# Allegro board BeagleBone_AI-64_Rev_B1_PCB_220602.brd (continued)
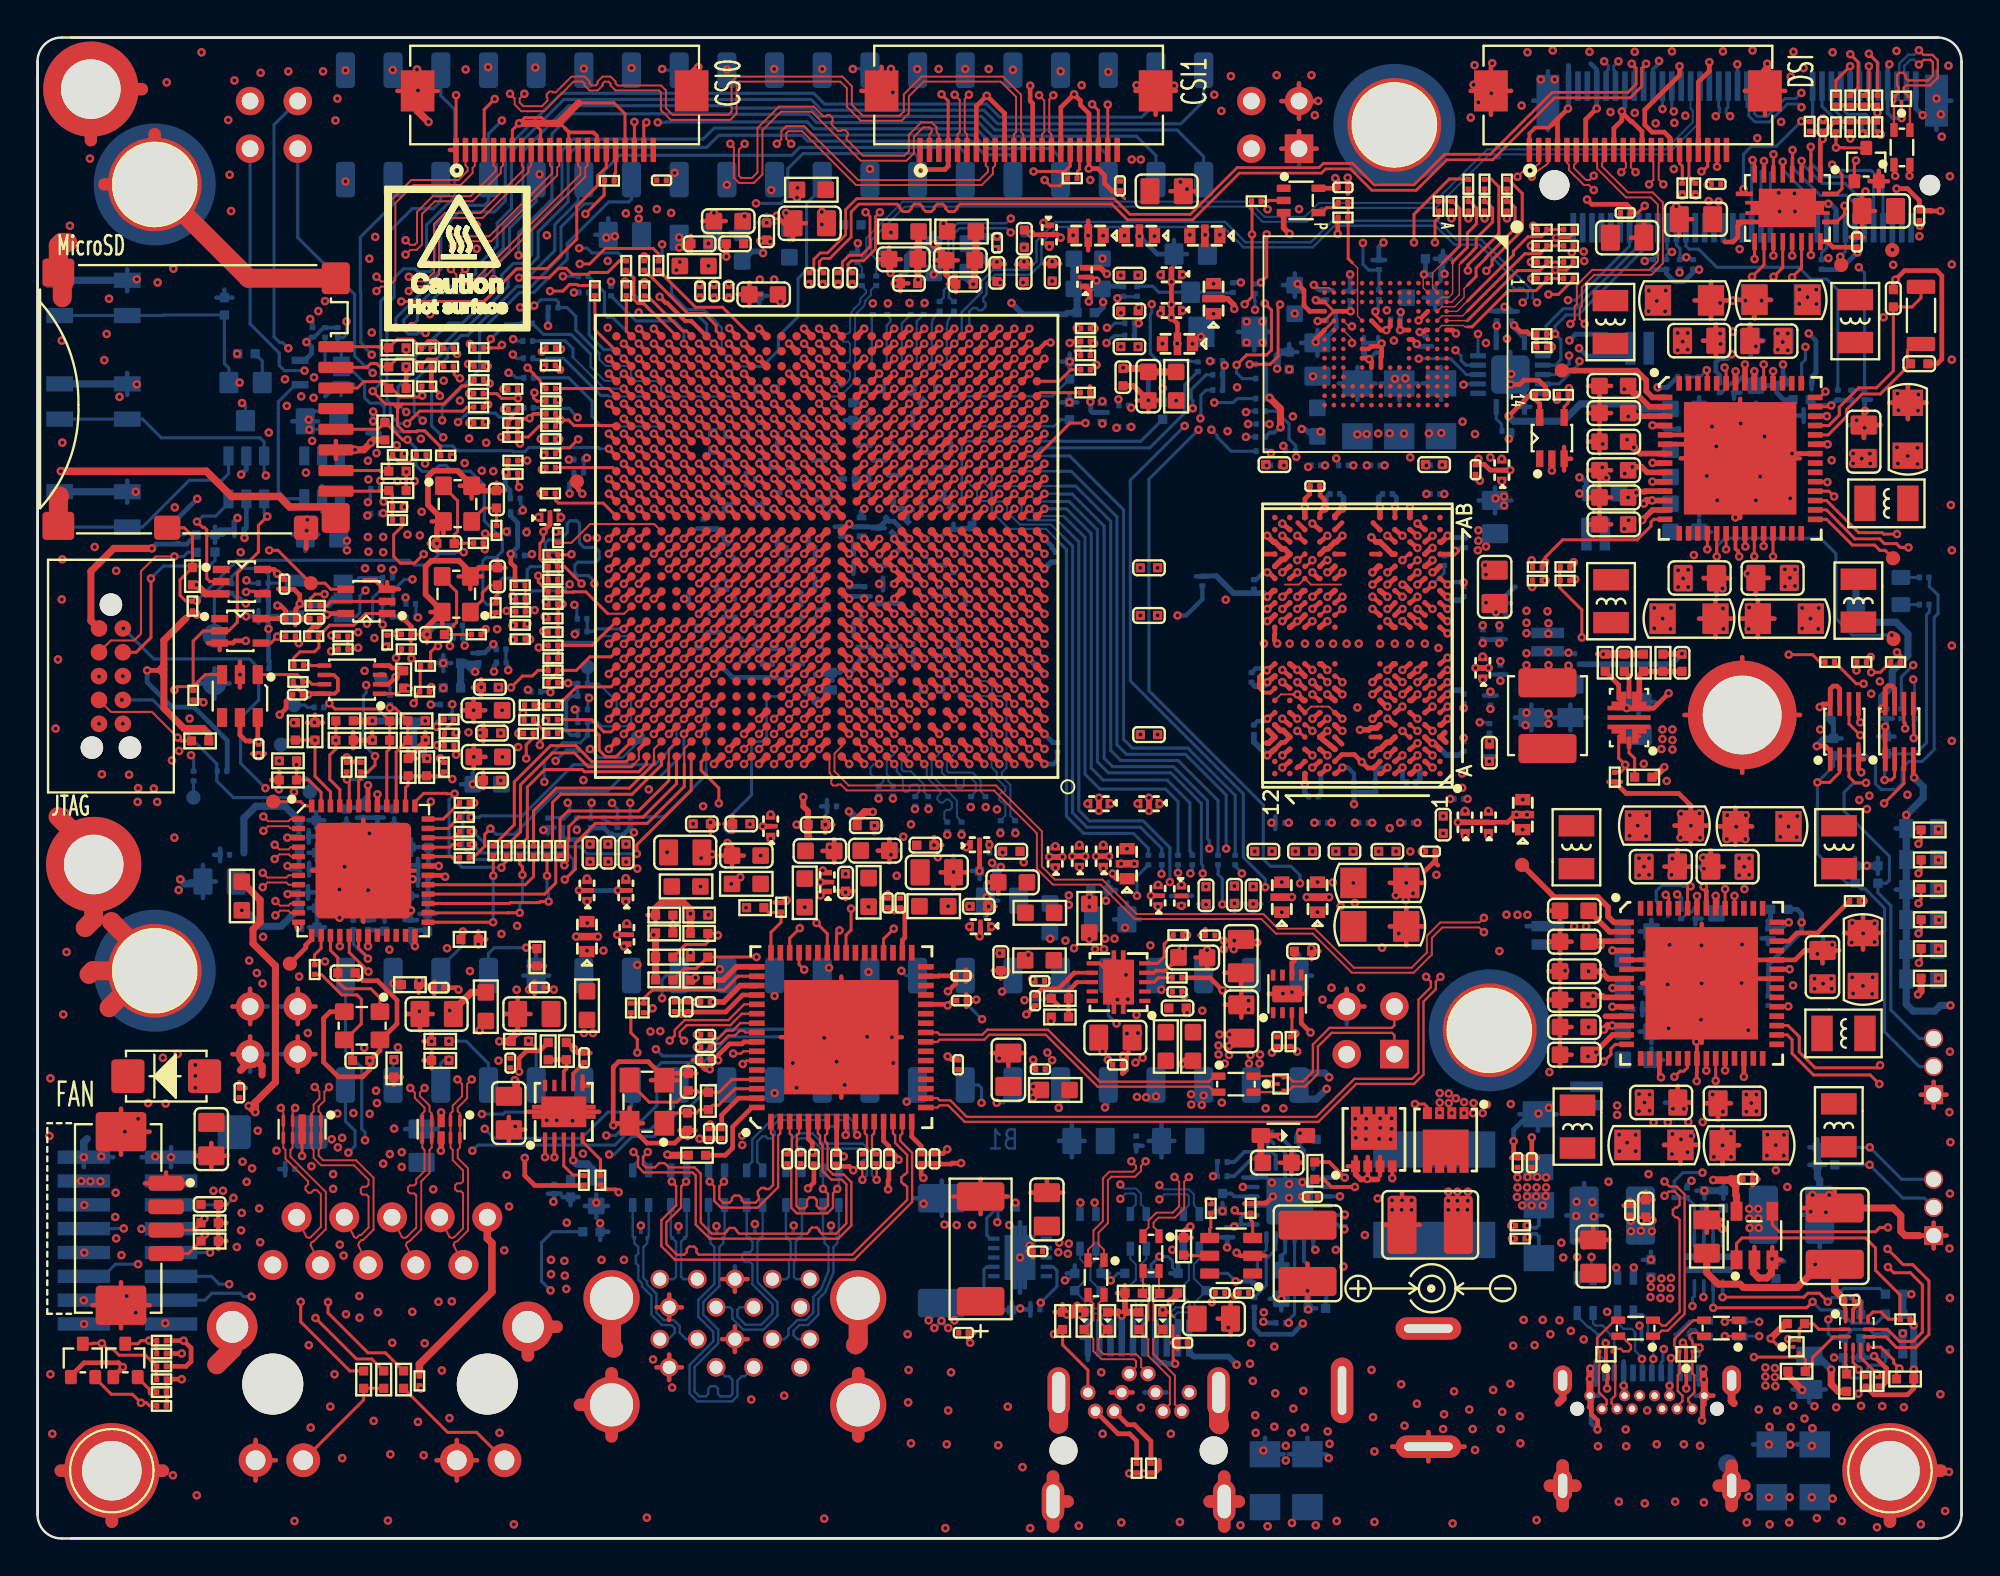
[diagram p0: board, top side]
## Routing (per net, layer and track width the routed paths; a pad name or vN(x,y) marks a point on that pad's centre or on a via; arc(x,y) is an arc through that point) (continued)
C_PCIE1_TX1_P: length 6
  TOP w0.188: U19.AG15 42.03,62.48 v1(41.63,62.88)
  L12-SIGNAL w0.136: v1(41.83,66.82) 41.74,66.73 41.74,66.54 43.11,65.17 43.11,64.08 arc(43.06,63.82) 42.91,63.59 42.71,63.4 arc(42.61,63.33) 42.49,63.31 arc(42.27,63.23) 42.08,63.09 42.04,63.05 arc(41.86,62.93) v1(41.63,62.88)
C_USB1_SSTX_DN1_N: length 1.9
  TOP w0.13: U20.4 40.57,21.6 40.45,21.48 40.45,20.71 40.65,20.51 C534.1
C_USB1_SSTX_DN1_P: length 1.9
  TOP w0.13: C533.1 39.94,20.51 40.19,20.76 40.19,21.48 40.07,21.6 U20.3
C_USB1_SSTX_DN2_N: length 1.9
  TOP w0.13: U20.12 44.57,21.6 44.45,21.48 44.45,20.72 44.66,20.51 C536.1
C_USB1_SSTX_DN2_P: length 1.9
  TOP w0.13: U20.11 44.07,21.6 44.19,21.48 44.19,20.75 43.95,20.51 C535.1
C_USB_SS_TX1_N: length 4.1
  TOP w0.16: v1(46.44,62.09) 46.44,62.08 U19.AF10
  BOTTOM w0.13: C538.1 46.52,65.24 46.5,65.22 ; 46.5,65.22 46.04,64.76 46.04,62.48 v1(46.44,62.09) ; 46.5,65.22 46.52,65.22
C_USB_SS_TX1_P: length 4
  TOP w0.16: U19.AG9 47.24,62.88 v1(47.24,62.89)
  BOTTOM w0.13: C537.1 47.2,65.22 47.18,65.22 46.83,64.87 46.83,62.66 46.92,62.56 47.11,62.56 47.24,62.69 v1(47.24,62.89)
C_USB_SS_TX2_N: length 4.2
  TOP w0.16: v1(47.24,62.09) 47.24,62.08 U19.AF9
  BOTTOM w0.13: v1(47.24,62.09) 47.44,62.29 arc(47.59,62.51) 47.64,62.78 47.64,64.72 arc(47.69,64.96) 47.83,65.17 48.06,65.4 C143.1
C_USB_SS_TX2_P: length 4.2
  TOP w0.16: v1(48.04,62.89) 48.04,62.88 U19.AG8
  BOTTOM w0.13: C132.1 48.82,65.4 arc(48.54,64.98) 48.44,64.48 48.44,62.68 48.31,62.55 48.13,62.55 48.04,62.64 v1(48.04,62.89)
C_USBA_SS_TX_N: length 3.9
  TOP w0.188: U19.AF12 44.84,62.08 v1(44.84,62.09)
  BOTTOM w0.13: v1(44.84,62.09) 44.64,62.28 arc(44.49,62.5) 44.44,62.76 44.44,65.08 44.5,65.14 C188.1
C_USBA_SS_TX_P: length 3.9
  TOP w0.188: v1(45.64,62.89) 45.64,62.88 U19.AG11
  BOTTOM w0.13: v1(45.64,62.89) 45.64,62.81 arc(45.5,62.62) 45.28,62.68 arc(45.25,62.74) 45.24,62.8 45.24,64.59 arc(45.25,64.66) 45.28,64.71 45.39,64.81 arc(45.45,64.96) 45.39,65.1 45.26,65.22 C177.1
C_USBA_SSRX_UP_N: length 2.9
  TOP w0.13: C532.2 35.86,26.19 36.05,26.38 36.37,26.38 36.8,26.81 37.15,26.81 37.41,27.07 37.61,27.07 37.71,26.97 U20.56
C_USBA_SSRX_UP_P: length 2.9
  TOP w0.13: U20.55 37.43,27.47 37.04,27.07 36.69,27.07 36.28,26.66 36.09,26.66 35.9,26.85 C531.2
COMP_LM5141: length 3.1
  BOTTOM w0.165: R45.1 68.66,13.94
  BOTTOM w0.203: U3.20 67.46,14.79 67.66,14.59 C91.1 68.48,14.13 68.66,13.94
CON_DP0_AUX_N: length 8.7
  TOP w0.106: J7.18 60.59,7.15 60.59,8.69 59.43,9.85 59.43,10.63 D39.1 59.45,11.63 59.45,12.72 R311.2 59.74,13.11 L13.2
CON_DP0_AUX_P: length 8.7
  TOP w0.106: J7.16 60.32,7.15 60.32,8.58 59.17,9.74 59.17,10.64 D38.1 59.18,11.64 59.18,12.75 R307.1 58.89,13.11 L13.3
CON_DP0_TX0_N: length 6.1
  BOTTOM w0.106: J7.5 57.16,11.54 56.99,11.71 56.99,12 56.73,12.26 56.25,12.26 56.09,12.43 56.09,12.62 56.65,13.19 D11.1 56.09,13.77 56.09,14.61 56.38,14.9 L5.3
CON_DP0_TX0_P: length 6.1
  BOTTOM w0.106: L5.2 55.53,14.9 55.83,14.61 55.83,13.78 D12.1 55.26,13.19 55.82,12.62 55.82,12.32 56.14,11.99 56.62,11.99 56.72,11.89 56.72,11.73 56.56,11.57 J7.3
CON_DP0_TX1_N: length 5.5
  BOTTOM w0.106: L4.3 59.07,14.9 58.78,14.61 58.78,13.75 D9.1 59.32,12.79 59.21,12.68 58.94,12.68 58.79,12.53 58.79,12.03 58.96,11.86 J7.11
CON_DP0_TX1_P: length 5.6
  BOTTOM w0.106: J7.9 58.36,11.86 58.52,12.03 58.52,12.54 58.38,12.68 58.03,12.68 57.92,12.79 D10.1 58.51,13.79 58.51,14.61 58.22,14.9 L4.2
CON_DP0_TX2_N: length 6.3
  BOTTOM w0.106: J7.17 60.76,11.57 60.59,11.74 60.59,11.9 60.75,12.05 61.38,12.05 61.64,12.32 61.64,12.58 62.25,13.19 D6.1 61.6,13.86 61.6,14.61 61.89,14.9 L3.3
CON_DP0_TX2_P: length 6.2
  BOTTOM w0.106: L3.2 61.04,14.9 61.33,14.61 61.33,13.77 D8.1 60.77,13.19 61.38,12.58 61.38,12.43 61.27,12.32 60.64,12.32 60.32,12.01 60.32,11.75 60.16,11.59 J7.15
CON_DP0_TX3_N: length 6.8
  TOP w0.106: J7.12 58.79,9.15 58.79,9.56 58.53,9.82 56.79,9.82 56.51,10.1 56.51,10.64 D37.1 56.51,11.63 56.51,12.51 56.81,12.81 L12.2
CON_DP0_TX3_P: length 6.8
  TOP w0.106: J7.10 58.52,9.15 58.52,9.45 58.42,9.55 56.68,9.55 56.25,9.99 56.25,10.64 D36.1 56.25,11.63 56.25,12.53 55.96,12.81 L12.3
CP2: length 10.2
  TOP w0.165: v1(89.77,12.86) 94.1,12.86 94.31,13.07 94.92,13.07 v1(95.37,12.62)
  BOTTOM w0.165: R12.1 96.09,12.84 ; 96.09,12.84 95.6,12.84 v1(95.37,12.62) ; 96.09,12.84 96.09,13.2 96.21,13.33 98.14,13.33 98.44,13.03 R355.2 ; U1.3 v1(89.77,12.86)
CS_LM5141: length 10.5
  TOP w0.203: 78.71,15.98 v1(78.55,15.98)
  L5-SIGNAL w0.203: v1(69.62,16.48) 69.85,16.7 71.9,16.7 72.43,16.17 78.36,16.17 v1(78.55,15.98)
  BOTTOM w0.203: v1(69.62,16.48) 69.52,16.48 69.26,16.74 U3.18
CSI0_RX0_N: length 114.7
  TOP w0.106: v1(18.06,67.25) 18.31,67 18.59,67 18.79,67.2 18.79,71.29 19.91,72.41 22.43,72.41 22.91,72.89 22.91,73.06 22.8,73.18 J13.2
  TOP w0.119: v1(38.43,42.08) 38.83,42.48 U19.B19
  L3-SIGNAL w0.103: v1(18.06,67.25) 17.85,67.05 14.95,67.05 14.67,66.77 14.67,66.31 14.56,66.21 14.36,66.21 14.25,66.31 14.25,66.77 13.97,67.05 13.46,67.05 12.32,65.91 12.32,65.51 12.57,65.26 12.57,65.11 12.42,64.96 12.27,64.96 12.03,65.21 11.63,65.21 11.3,64.89 11.3,64.49 11.55,64.24 11.55,64.1 11.4,63.95 11.26,63.95 11.01,64.2 10.61,64.2 9.92,63.51 9.92,62.21 8.91,61.21 8.91,60.67 8.81,60.57 8.59,60.57 8.3,60.29 8.3,59.83 8.59,59.55 10.26,59.55 10.36,59.44 10.36,59.24 10.26,59.13 8.59,59.13 8.3,58.85 8.3,58.39 8.59,58.11 10.26,58.11 10.36,58.01 10.36,57.85 10.21,57.7 8.59,57.7 8.3,57.42 8.3,56.96 8.59,56.67 8.81,56.67 8.91,56.57 8.91,56.21 9.2,55.92 10.28,55.92 10.39,55.82 10.39,55.61 10.28,55.51 9.2,55.51 8.91,55.23 8.91,53.71 8.81,53.61 7.85,53.61 7.57,53.33 7.57,52.87 7.85,52.59 8.81,52.59 8.91,52.48 8.91,51.85 9.2,51.57 10.28,51.57 10.39,51.46 10.39,51.26 10.28,51.15 9.17,51.15 8.89,50.87 8.89,50.41 9.17,50.13 10.28,50.13 10.36,50.05 10.36,49.79 10.28,49.72 9.2,49.72 8.91,49.43 8.91,48.52 9.34,48.1 9.74,48.1 10.24,48.61 10.41,48.61 10.55,48.47 10.55,48.33 10.03,47.81 10.03,47.41 13.45,43.98 15.06,43.98 16.03,43.01 16.43,43.01 16.84,43.42 17.01,43.42 17.14,43.29 17.14,43.14 16.72,42.72 16.72,42.32 16.99,42.05 16.99,41.52 17.77,40.74 18.17,40.74 18.44,41 18.6,41 18.7,40.89 18.7,40.73 18.51,40.54 18.51,39.28 22.48,35.32 22.48,33.29 25.15,30.62 27.18,30.62 27.46,30.9 27.46,32.17 27.57,32.27 27.77,32.27 27.88,32.17 27.88,30.9 28.16,30.62 31.41,30.62 32.41,31.62 32.41,32.42 33.73,33.74 33.88,33.74 34.06,33.56 34.46,33.56 34.79,33.88 34.79,34.28 34.6,34.47 34.6,35.23 34.87,35.5 37.06,35.5 37.54,35.98 37.54,37.78 37.26,38.06 36.68,38.06 36.57,38.16 36.57,38.37 36.68,38.47 37.26,38.47 37.54,38.75 37.54,39.13 38.04,39.63 38.04,41.69 v1(38.43,42.08)
CSI0_RX0_P: length 114.6
  TOP w0.106: U19.A20 38.03,41.68 v1(37.63,41.28) ; J13.3 23.3,73.18 23.18,73.06 23.18,72.78 22.54,72.14 20.02,72.14 19.06,71.18 19.06,67.09 18.7,66.73 18.3,66.73 v1(18.06,66.49)
  L3-SIGNAL w0.103: v1(18.06,66.49) 17.8,66.74 15.08,66.74 14.97,66.64 14.97,66.19 14.69,65.9 14.23,65.9 13.95,66.19 13.95,66.64 13.85,66.74 13.59,66.74 13.34,66.49 13.34,66.34 13.47,66.21 13.47,66.06 13.32,65.92 13.18,65.92 13.04,66.05 12.9,66.05 12.62,65.78 12.62,65.63 12.87,65.38 12.87,64.99 12.55,64.66 12.15,64.66 11.9,64.91 11.75,64.91 11.61,64.76 11.61,64.62 11.85,64.37 11.85,63.97 11.53,63.64 11.13,63.64 10.88,63.89 10.74,63.89 10.23,63.38 10.23,62.09 10.04,61.9 10.04,61.76 10.15,61.65 10.15,61.5 10,61.36 9.86,61.36 9.75,61.46 9.6,61.46 9.22,61.08 9.22,60.55 8.94,60.27 8.71,60.27 8.61,60.16 8.61,59.96 8.71,59.85 10.39,59.85 10.67,59.57 10.67,59.11 10.39,58.83 8.71,58.83 8.61,58.73 8.61,58.52 8.71,58.42 10.39,58.42 10.67,58.13 10.67,57.73 10.33,57.39 8.71,57.39 8.61,57.29 8.61,57.08 8.71,56.98 8.94,56.98 9.22,56.7 9.22,56.33 9.32,56.23 10.41,56.23 10.69,55.95 10.69,55.49 10.41,55.21 9.32,55.21 9.22,55.1 9.22,54.81 9.32,54.7 9.47,54.7 9.57,54.6 9.57,54.39 9.47,54.29 9.32,54.29 9.22,54.18 9.22,53.59 8.94,53.31 7.98,53.31 7.87,53.2 7.87,53 7.98,52.89 8.94,52.89 9.22,52.61 9.22,51.97 9.32,51.87 10.41,51.87 10.69,51.59 10.69,51.13 10.41,50.85 9.3,50.85 9.19,50.74 9.19,50.54 9.3,50.43 10.41,50.43 10.67,50.18 10.67,49.67 10.41,49.41 9.32,49.41 9.22,49.31 9.22,48.65 9.46,48.4 9.61,48.4 10.12,48.91 10.54,48.91 10.85,48.6 10.85,48.2 10.33,47.68 10.33,47.53 13.58,44.29 15.19,44.29 16.16,43.32 16.3,43.32 16.71,43.73 17.13,43.73 17.45,43.41 17.45,43.02 17.03,42.59 17.03,42.45 17.3,42.18 17.3,41.65 17.9,41.04 18.05,41.04 18.31,41.3 18.73,41.3 19.01,41.02 19.01,40.6 18.82,40.41 18.82,39.41 22.78,35.45 22.78,33.42 25.27,30.93 27.05,30.93 27.16,31.03 27.16,32.3 27.44,32.58 27.9,32.58 28.18,32.3 28.18,31.03 28.28,30.93 31.28,30.93 32.1,31.75 32.1,32.55 33.6,34.05 34,34.05 34.19,33.86 34.33,33.86 34.48,34.01 34.48,34.15 34.3,34.34 34.3,34.51 34.19,34.61 34.14,34.61 34.03,34.71 34.03,34.92 34.14,35.02 34.19,35.02 34.3,35.13 34.3,35.36 34.75,35.81 36.05,35.81 36.15,35.91 36.15,35.92 36.25,36.02 36.46,36.02 36.56,35.92 36.56,35.91 36.67,35.81 36.93,35.81 37.23,36.11 37.23,37.65 37.13,37.75 36.55,37.75 36.27,38.04 36.27,38.49 36.55,38.78 37.13,38.78 37.23,38.88 37.23,39.26 37.74,39.76 37.74,41.18 v1(37.63,41.28)
CSI0_RX1_N: length 115.1
  TOP w0.106: J13.5 24.3,73.18 24.41,73.07 24.41,72.89 23.07,71.54 21.05,71.54 20.22,70.7 20.22,69.08 20.09,68.95 19.85,68.95 v1(19.61,69.2)
  TOP w0.119: v1(39.23,43.68) 39.63,44.08 U19.D18
  L3-SIGNAL w0.103: v1(39.23,43.68) 38.83,43.28 38.83,42.74 38.84,42.73 38.84,42.72 39.07,42.49 39.08,42.49 39.09,42.48 39.4,42.48 39.41,42.46 39.42,42.46 39.64,42.24 39.64,41.12 39.45,40.93 39.45,40.63 40.03,40.04 40.03,36.52 37.33,33.81 36.93,33.81 36.31,34.43 36.09,34.43 35.93,34.27 35.93,34.1 36.57,33.46 36.57,33.06 35.46,31.94 34.34,31.94 32.08,29.68 24.26,29.68 21.36,32.58 21.36,34.51 17.85,38.02 17.75,38.02 16.97,38.8 16.97,39.2 17.17,39.4 17.17,39.54 17.02,39.69 16.87,39.69 16.68,39.49 16.28,39.49 15.1,40.67 15.1,41.07 15.59,41.56 15.59,41.8 15.44,41.95 15.3,41.95 14.76,41.41 14.36,41.41 13.55,42.22 13.4,42.22 13.23,42.05 12.83,42.05 12.51,42.38 12.51,42.78 12.68,42.95 12.68,43.09 10.06,45.71 9.91,45.71 9.55,45.35 9.15,45.35 8.82,45.67 8.82,46.07 9.19,46.43 9.19,46.58 8.81,46.96 8.66,46.96 8.48,46.78 8.09,46.78 7.76,47.1 7.76,47.5 7.89,47.63 7.89,47.78 6.93,48.73 6.93,49.46 7.21,49.74 7.62,49.74 7.72,49.85 7.72,50.05 7.62,50.16 7.21,50.16 6.93,50.44 6.93,50.69 6.56,51.06 6.56,52.88 5.64,53.8 5.64,54.42 5.92,54.7 6.47,54.7 6.58,54.81 6.58,55.01 6.47,55.12 5.92,55.12 5.64,55.4 5.64,56.02 5.92,56.3 7.13,56.3 7.24,56.41 7.24,56.62 7.13,56.72 5.92,56.72 5.64,57 5.64,57.46 5.92,57.74 7.13,57.74 7.24,57.84 7.24,58.05 7.13,58.16 5.92,58.16 5.64,58.44 5.64,59.94 5.99,60.29 6.39,60.29 7.04,59.63 7.27,59.63 7.38,59.74 7.38,59.89 6.68,60.58 6.68,60.98 7.01,61.31 7.01,62.09 7.81,62.89 8.21,62.89 8.61,62.49 8.75,62.49 8.9,62.64 8.9,62.79 8.5,63.19 8.5,63.59 13.88,68.97 14.73,68.97 15.01,68.69 15.01,68.01 15.11,67.91 15.32,67.91 15.42,68.01 15.42,68.69 15.7,68.97 16.16,68.97 16.44,68.69 16.44,68.01 16.55,67.91 16.75,67.91 16.86,68.01 16.86,68.69 17.14,68.97 19.38,68.97 v1(19.61,69.2)
CSI0_RX1_P: length 115
  TOP w0.106: v1(19.61,68.43) 19.86,68.69 20.2,68.69 20.48,68.97 20.48,70.59 21.17,71.28 23.18,71.28 24.68,72.78 24.68,73.07 24.8,73.18 J13.6
  TOP w0.119: v1(38.44,42.88) 38.84,43.28 U19.C19
  L3-SIGNAL w0.103: v1(38.44,42.88) 38.44,42.64 38.84,42.23 38.84,41.12 39.14,40.81 39.14,40.5 39.73,39.92 39.73,39.67 39.52,39.47 39.52,39.26 39.73,39.05 39.73,38.3 39.62,38.2 39.44,38.2 39.34,38.09 39.34,37.89 39.44,37.78 39.62,37.78 39.73,37.68 39.73,36.65 39.56,36.48 39.28,36.48 39.13,36.33 39.13,36.05 38.74,35.66 38.59,35.66 38.43,35.82 38.29,35.82 38.14,35.67 38.14,35.52 38.3,35.37 38.3,35.22 37.2,34.12 37.05,34.12 36.43,34.74 35.96,34.74 35.62,34.4 35.62,33.97 36.27,33.33 36.27,33.19 35.33,32.25 34.99,32.25 34.81,32.43 34.57,32.43 34.4,32.25 34.21,32.25 31.95,29.99 24.38,29.99 23.64,30.73 23.64,30.99 23.47,31.15 23.22,31.15 22.87,31.5 22.87,31.66 22.66,31.87 22.5,31.87 21.66,32.71 21.66,34.64 17.98,38.32 17.88,38.32 17.27,38.93 17.27,39.07 17.47,39.27 17.47,39.67 17.14,39.99 16.75,39.99 16.55,39.8 16.4,39.8 15.41,40.79 15.41,40.94 15.89,41.43 15.89,41.93 15.57,42.26 15.17,42.26 14.63,41.72 14.48,41.72 14.27,41.93 14.27,42.21 14.12,42.36 13.84,42.36 13.67,42.53 13.27,42.53 13.1,42.36 12.96,42.36 12.81,42.51 12.81,42.65 12.98,42.82 12.98,43.22 10.18,46.01 9.79,46.01 9.42,45.65 9.28,45.65 9.13,45.8 9.13,45.94 9.49,46.31 9.49,46.71 8.94,47.26 8.54,47.26 8.36,47.08 8.21,47.08 8.06,47.23 8.06,47.37 8.19,47.5 8.19,47.9 7.86,48.24 7.86,48.49 7.69,48.66 7.44,48.66 7.24,48.86 7.24,49.33 7.34,49.44 7.74,49.44 8.02,49.72 8.02,50.18 7.74,50.46 7.34,50.46 7.24,50.56 7.24,50.82 6.87,51.18 6.87,53.01 6.51,53.37 6.51,53.58 6.32,53.76 6.11,53.76 5.95,53.93 5.95,54.3 6.05,54.4 6.6,54.4 6.88,54.68 6.88,55.14 6.6,55.42 6.05,55.42 5.95,55.52 5.95,55.9 6.05,56 7.26,56 7.54,56.28 7.54,56.74 7.26,57.02 6.05,57.02 5.95,57.13 5.95,57.33 6.05,57.44 7.26,57.44 7.54,57.72 7.54,58.18 7.26,58.46 6.05,58.46 5.95,58.56 5.95,59.81 6.12,59.98 6.26,59.98 6.92,59.33 7.39,59.33 7.68,59.62 7.68,60.02 6.99,60.71 6.99,60.86 7.31,61.18 7.31,61.97 7.93,62.59 8.08,62.59 8.48,62.19 8.88,62.19 9.21,62.51 9.21,62.91 8.81,63.31 8.81,63.46 14.01,68.66 14.6,68.66 14.7,68.56 14.7,67.89 14.98,67.61 15.44,67.61 15.73,67.89 15.73,68.56 15.83,68.66 16.04,68.66 16.14,68.56 16.14,67.89 16.42,67.61 16.88,67.61 17.16,67.89 17.16,68.56 17.27,68.66 19.38,68.66 v1(19.61,68.43)
CSI0_RX2_N: length 115.5
  TOP w0.106: J13.11 27.3,73.18 27.41,73.07 27.41,72.76 24.06,69.41 22.38,69.41 v1(22.13,69.66) ; U19.D17 40.43,44.08 v1(40.03,43.68)
  TOP w0.119: 40.04,43.68 v1(40.03,43.68)
  L3-SIGNAL w0.103: v1(22.13,69.66) 21.88,69.4 20.53,69.4 19.81,70.12 13.56,70.12 5.92,62.47 5.92,61.54 4.52,60.14 4.52,53.15 5.56,52.11 5.56,51.76 4.87,51.07 4.87,50.51 5.16,50.22 5.91,50.22 6.02,50.12 6.02,49.91 5.91,49.81 5.16,49.81 4.87,49.53 4.87,49.07 5.16,48.79 5.91,48.79 6.02,48.68 6.02,48.48 5.91,48.37 5.16,48.37 4.87,48.09 4.87,47.54 5.64,46.77 6.04,46.77 6.49,47.23 6.64,47.23 6.79,47.08 6.79,46.93 6.33,46.48 6.33,46.08 6.75,45.66 7.47,45.66 7.72,45.41 7.72,44.68 8.75,43.65 9.15,43.65 9.75,44.25 9.89,44.25 10.04,44.1 10.04,43.96 9.44,43.36 9.44,42.96 9.77,42.63 10.16,42.63 10.76,43.23 10.91,43.23 11.06,43.08 11.06,42.94 10.46,42.34 10.46,41.94 11.92,40.48 13.59,40.48 20.34,33.72 20.34,31.91 23.74,28.52 32.41,28.52 34.41,30.52 35.73,30.52 36.47,31.25 36.61,31.25 36.85,31.02 37.25,31.02 37.58,31.34 37.58,31.74 37.34,31.98 37.34,32.13 37.49,32.27 37.63,32.27 37.87,32.03 38.27,32.03 38.6,32.36 38.6,32.76 38.36,33 38.36,33.14 38.68,33.47 38.68,33.67 39.77,34.76 40,34.76 40.55,34.21 40.95,34.21 41.23,34.49 41.23,34.89 40.64,35.48 40.64,35.63 41.53,36.52 41.53,39.94 40.99,40.48 40.99,40.88 41.23,41.12 41.23,42.27 41.02,42.49 40.67,42.49 40.44,42.72 40.44,43.06 40.03,43.46 v1(40.03,43.68)
CSI0_RX2_P: length 115.5
  TOP w0.106: U19.C18 39.63,43.28 v1(39.23,42.88) ; v1(22.13,68.9) 22.15,68.9 22.17,68.92 22.17,68.93 22.38,69.14 24.17,69.14 27.68,72.65 27.68,73.07 27.8,73.18 J13.12
  L3-SIGNAL w0.103: v1(22.13,68.9) 21.93,69.1 20.4,69.1 19.68,69.82 17.46,69.82 17.28,69.64 17.04,69.64 16.86,69.82 16.63,69.82 16.45,69.64 16.22,69.64 16.04,69.82 15.8,69.82 15.62,69.64 15.39,69.64 15.21,69.82 14.97,69.82 14.8,69.64 14.56,69.64 14.38,69.82 13.69,69.82 6.22,62.35 6.22,61.41 4.83,60.01 4.83,59.45 4.98,59.3 4.98,59.04 4.83,58.89 4.83,58.62 4.98,58.47 4.98,58.21 4.83,58.06 4.83,53.28 5.87,52.24 5.87,51.63 5.18,50.94 5.18,50.63 5.28,50.53 6.04,50.53 6.32,50.25 6.32,49.79 6.04,49.51 5.28,49.51 5.18,49.4 5.18,49.2 5.28,49.09 6.04,49.09 6.32,48.81 6.32,48.35 6.04,48.07 5.28,48.07 5.18,47.97 5.18,47.67 5.77,47.08 5.91,47.08 6.37,47.53 6.76,47.53 7.09,47.2 7.09,46.81 6.64,46.35 6.64,46.21 6.88,45.97 7.59,45.97 8.02,45.53 8.02,44.81 8.88,43.95 9.02,43.95 9.62,44.55 10.02,44.55 10.35,44.23 10.35,43.83 9.75,43.23 9.75,43.08 9.89,42.94 10.04,42.94 10.64,43.54 11.04,43.54 11.36,43.21 11.36,42.81 10.76,42.21 10.76,42.07 12.05,40.78 13.71,40.78 20.65,33.85 20.65,32.04 23.87,28.82 32.28,28.82 34.29,30.83 35.61,30.83 36.34,31.56 36.74,31.56 36.98,31.32 37.13,31.32 37.27,31.47 37.27,31.61 37.03,31.85 37.03,32.25 37.36,32.58 37.76,32.58 38,32.34 38.14,32.34 38.29,32.48 38.29,32.63 38.05,32.87 38.05,33.27 38.38,33.6 38.38,33.8 39.64,35.06 40.13,35.06 40.67,34.51 40.82,34.51 40.92,34.62 40.92,34.76 40.33,35.35 40.33,35.75 41.23,36.65 41.23,37.65 41.12,37.76 41,37.76 40.89,37.86 40.89,38.07 41,38.17 41.12,38.17 41.23,38.27 41.23,38.48 41.12,38.58 41,38.58 40.89,38.69 40.89,38.89 41,39 41.12,39 41.23,39.1 41.23,39.81 40.69,40.35 40.69,40.85 40.44,41.1 40.44,42.24 40.19,42.49 39.86,42.49 39.47,42.88 v1(39.23,42.88)
CSI0_RX3_N: length 116.6
  TOP w0.106: v1(22.78,67.66) 22.58,67.45 22.58,67.25 22.71,67.12 23.34,67.12 28.91,72.7 28.91,73.06 28.8,73.18 J13.14
  TOP w0.119: v1(40.84,44.48) 40.84,44.48 U19.E16
  L3-SIGNAL w0.103: v1(40.84,44.48) 40.84,44.19 40.94,44.08 41.79,44.08 42.24,43.63 42.24,43.58 42.68,43.15 42.68,37.39 42.92,37.14 42.92,36.06 42.62,35.75 42.62,32.92 41.52,31.82 40.26,31.82 37.59,29.15 34.72,29.15 33.08,27.51 23.16,27.51 19.17,31.5 19.17,33.57 13.82,38.93 11.84,38.93 6.52,44.25 6.52,44.56 2.72,48.37 2.72,51.43 3.58,52.29 3.58,61.59 13.08,71.09 22.4,71.09 22.96,70.53 22.96,68.67 22.55,68.27 22.55,67.89 v1(22.78,67.66)
CSI0_RX3_P: length 116.6
  TOP w0.106: J13.15 29.3,73.18 29.18,73.06 29.18,72.59 23.45,66.86 22.6,66.86 22.31,67.14 22.31,67.36 v1(22.02,67.66)
  TOP w0.119: v1(40.03,44.48) 40.44,44.88 U19.E17
  L3-SIGNAL w0.103: v1(22.02,67.66) 22.25,67.89 22.25,68.39 22.66,68.8 22.66,70.4 22.27,70.78 21.95,70.78 21.85,70.68 21.85,70.63 21.75,70.53 21.54,70.53 21.44,70.63 21.44,70.68 21.33,70.78 21.13,70.78 21.02,70.68 21.02,70.63 20.92,70.53 20.71,70.53 20.61,70.63 20.61,70.68 20.51,70.78 13.21,70.78 3.88,61.46 3.88,52.16 3.02,51.3 3.02,48.5 6.83,44.69 6.83,44.38 11.97,39.23 13.94,39.23 19.48,33.7 19.48,31.62 23.29,27.82 32.95,27.82 34.59,29.46 37.46,29.46 40.13,32.12 41.39,32.12 42.31,33.04 42.31,35.88 42.62,36.19 42.62,37.02 42.37,37.26 42.37,43.02 42.11,43.29 40.67,43.29 40.44,43.52 40.44,43.93 40.44,44.08 v1(40.03,44.48)
CSI0_RXCLK_N: length 115.1
  TOP w0.106: v1(19.78,67.25) 20.03,67 20.63,67 21.12,67.49 21.12,70.06 21.71,70.65 23.6,70.65 25.89,72.94 25.89,73.09 25.8,73.18 J13.8 ; U19.B20 38.03,42.48 v1(37.63,42.08)
  L3-SIGNAL w0.103: v1(19.78,67.25) 19.58,67.05 19.19,67.05 18.2,66.06 16.61,66.06 15.07,64.52 13.42,64.52 11.38,62.48 11.38,58.41 11.66,58.13 13.15,58.13 13.26,58.03 13.26,57.82 13.15,57.72 11.66,57.72 11.38,57.43 11.38,56.12 11.66,55.84 13.74,55.84 13.84,55.74 13.84,55.53 13.74,55.43 11.66,55.43 11.38,55.15 11.38,53.81 11.58,53.61 11.58,51.11 11.86,50.83 12.33,50.83 12.49,50.66 12.49,50.52 12.39,50.41 11.86,50.41 11.58,50.13 11.58,47.36 12.2,46.74 12.6,46.74 13.14,47.28 13.28,47.28 13.43,47.14 13.43,46.99 12.89,46.45 12.89,46.05 13.56,45.38 14.14,45.38 14.42,45.66 14.42,46.47 14.52,46.57 14.73,46.57 14.84,46.47 14.84,45.66 15.12,45.38 15.58,45.38 15.86,45.66 15.86,46.47 15.96,46.57 16.17,46.57 16.27,46.47 16.27,45.72 19.61,42.38 19.61,41.04 19.89,40.76 21.23,40.76 21.33,40.65 21.33,40.45 21.23,40.34 19.89,40.34 19.61,40.06 19.61,39.57 20.84,38.33 21.24,38.33 21.8,38.9 21.95,38.9 22.1,38.75 22.1,38.61 21.53,38.04 21.53,37.64 23.54,35.63 23.54,33.78 23.88,33.44 24.51,33.44 24.89,33.83 24.89,34.67 25.42,35.2 25.42,35.54 25.55,35.67 25.55,36.62 25.73,36.8 26.26,36.8 26.43,36.63 26.43,33.53 26.75,33.22 27.75,33.22 28.08,33.54 28.34,33.54 28.67,33.22 29.93,33.22 30.24,33.52 30.52,33.52 30.83,33.22 31.77,33.22 32.94,34.38 32.94,36.99 33.05,37.09 33.7,37.09 33.98,37.37 33.98,37.83 33.7,38.12 32.89,38.12 32.66,38.35 32.66,38.78 33.17,39.29 33.42,39.29 34.09,38.61 34.49,38.61 34.82,38.94 34.82,39.33 34.14,40.01 34.14,40.44 33.86,40.72 33.43,40.72 33.32,40.82 33.32,41.03 33.43,41.13 33.86,41.13 34.14,41.42 34.14,41.83 34.34,42.03 35.02,42.03 35.22,41.84 35.22,39.74 35.5,39.46 35.96,39.46 36.24,39.74 36.24,40.27 36.34,40.38 36.88,40.38 37.26,40.76 37.26,41.46 37.63,41.84 v1(37.63,42.08)
CSI0_RXCLK_P: length 115.1
  TOP w0.106: v1(19.78,66.49) 19.81,66.49 20.06,66.74 20.74,66.74 21.39,67.38 21.39,69.95 21.83,70.39 23.71,70.39 25.64,72.32 26.15,72.83 26.15,73.04 26.3,73.18 J13.9
  TOP w0.119: v1(36.83,41.28) 36.84,41.28 U19.A21
  L3-SIGNAL w0.103: v1(36.83,41.28) 36.95,41.16 36.95,40.89 36.75,40.68 36.22,40.68 35.93,40.4 35.93,39.87 35.83,39.77 35.62,39.77 35.52,39.87 35.52,40.8 35.66,40.94 35.66,41.22 35.52,41.36 35.52,41.96 35.15,42.33 34.21,42.33 33.84,41.96 33.84,41.54 33.73,41.44 33.3,41.44 33.02,41.16 33.02,40.7 33.3,40.42 33.73,40.42 33.84,40.31 33.84,39.88 34.51,39.21 34.51,39.06 34.36,38.92 34.22,38.92 33.54,39.59 33.04,39.59 32.36,38.9 32.36,38.22 32.77,37.81 33.57,37.81 33.68,37.71 33.68,37.5 33.57,37.4 32.92,37.4 32.64,37.12 32.64,36.85 32.43,36.65 32.43,36.44 32.64,36.24 32.64,35.91 32.53,35.81 32.46,35.81 32.36,35.71 32.36,35.5 32.46,35.4 32.53,35.4 32.64,35.29 32.64,34.51 32.47,34.35 32.33,34.35 32.27,34.4 32.12,34.4 31.98,34.26 31.98,34.11 32.03,34.05 32.03,33.91 31.65,33.52 30.95,33.52 30.65,33.82 30.11,33.82 29.8,33.52 28.8,33.52 28.47,33.85 27.95,33.85 27.62,33.52 26.87,33.52 26.74,33.66 26.74,36.75 26.39,37.1 25.6,37.1 25.25,36.75 25.25,35.8 25.12,35.67 25.12,35.32 24.59,34.79 24.59,33.95 24.38,33.75 24,33.75 23.85,33.9 23.85,35.75 23.68,35.92 23.68,36.07 23.75,36.14 23.75,36.28 23.61,36.43 23.46,36.43 23.39,36.36 23.24,36.36 22.56,37.04 22.56,37.19 22.59,37.22 22.59,37.37 22.45,37.51 22.3,37.51 22.27,37.48 22.12,37.48 21.84,37.77 21.84,37.91 22.4,38.48 22.4,38.88 22.08,39.2 21.68,39.2 21.11,38.64 20.97,38.64 19.91,39.69 19.91,39.94 20.01,40.04 21.36,40.04 21.64,40.32 21.64,40.78 21.36,41.06 20.01,41.06 19.91,41.17 19.91,41.53 20.01,41.64 20.11,41.64 20.22,41.74 20.22,41.95 20.11,42.05 20.01,42.05 19.91,42.15 19.91,42.51 16.58,45.84 16.58,46.6 16.29,46.88 15.84,46.88 15.55,46.6 15.55,45.79 15.45,45.69 15.24,45.69 15.14,45.79 15.14,46.6 14.86,46.88 14.4,46.88 14.12,46.6 14.12,45.79 14.01,45.69 13.69,45.69 13.2,46.18 13.2,46.32 13.74,46.86 13.74,47.26 13.41,47.59 13.01,47.59 12.47,47.05 12.33,47.05 11.89,47.49 11.89,50.01 11.99,50.11 12.52,50.11 12.8,50.39 12.8,50.79 12.46,51.13 11.99,51.13 11.89,51.24 11.89,53.74 11.68,53.94 11.68,55.02 11.79,55.12 13.86,55.12 14.15,55.41 14.15,55.87 13.86,56.15 11.79,56.15 11.68,56.25 11.68,57.31 11.79,57.41 13.28,57.41 13.56,57.69 13.56,58.15 13.28,58.43 11.79,58.43 11.68,58.54 11.68,62.35 13.55,64.21 15.2,64.21 16.74,65.75 18.33,65.75 19.32,66.74 19.53,66.74 v1(19.78,66.49)